# Altium PCB Fri3D_2020_Sweet4x4_01.PcbDoc (part 1 of 2)
Units mm, origin at the board's own origin, x right, y up, seen from the top; angles counter-clockwise.
Board outline 120 x 95 mm, 2 copper layers (Top Layer, Bottom Layer), stack 1.571 mm thick; 83 components, 47 nets, 500 pads, 32 vias.
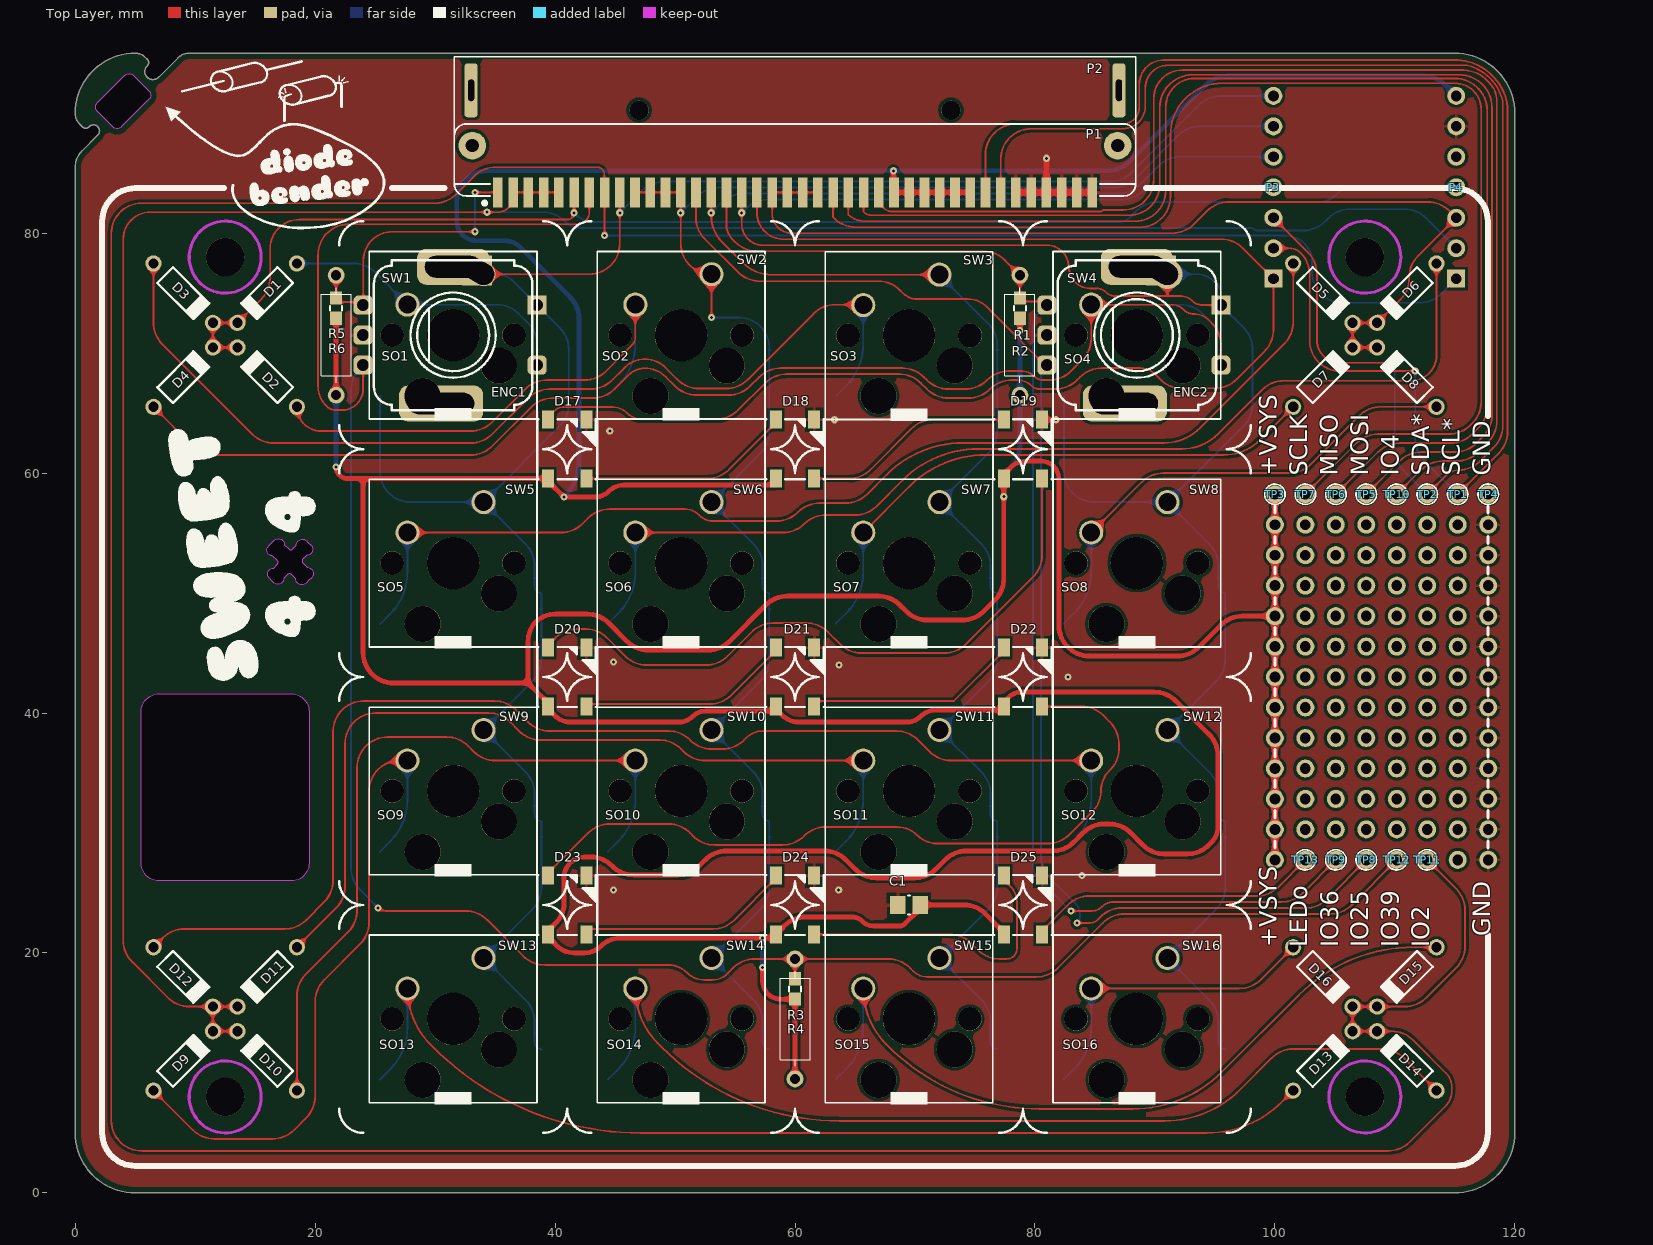
[diagram p0: Top Layer view]
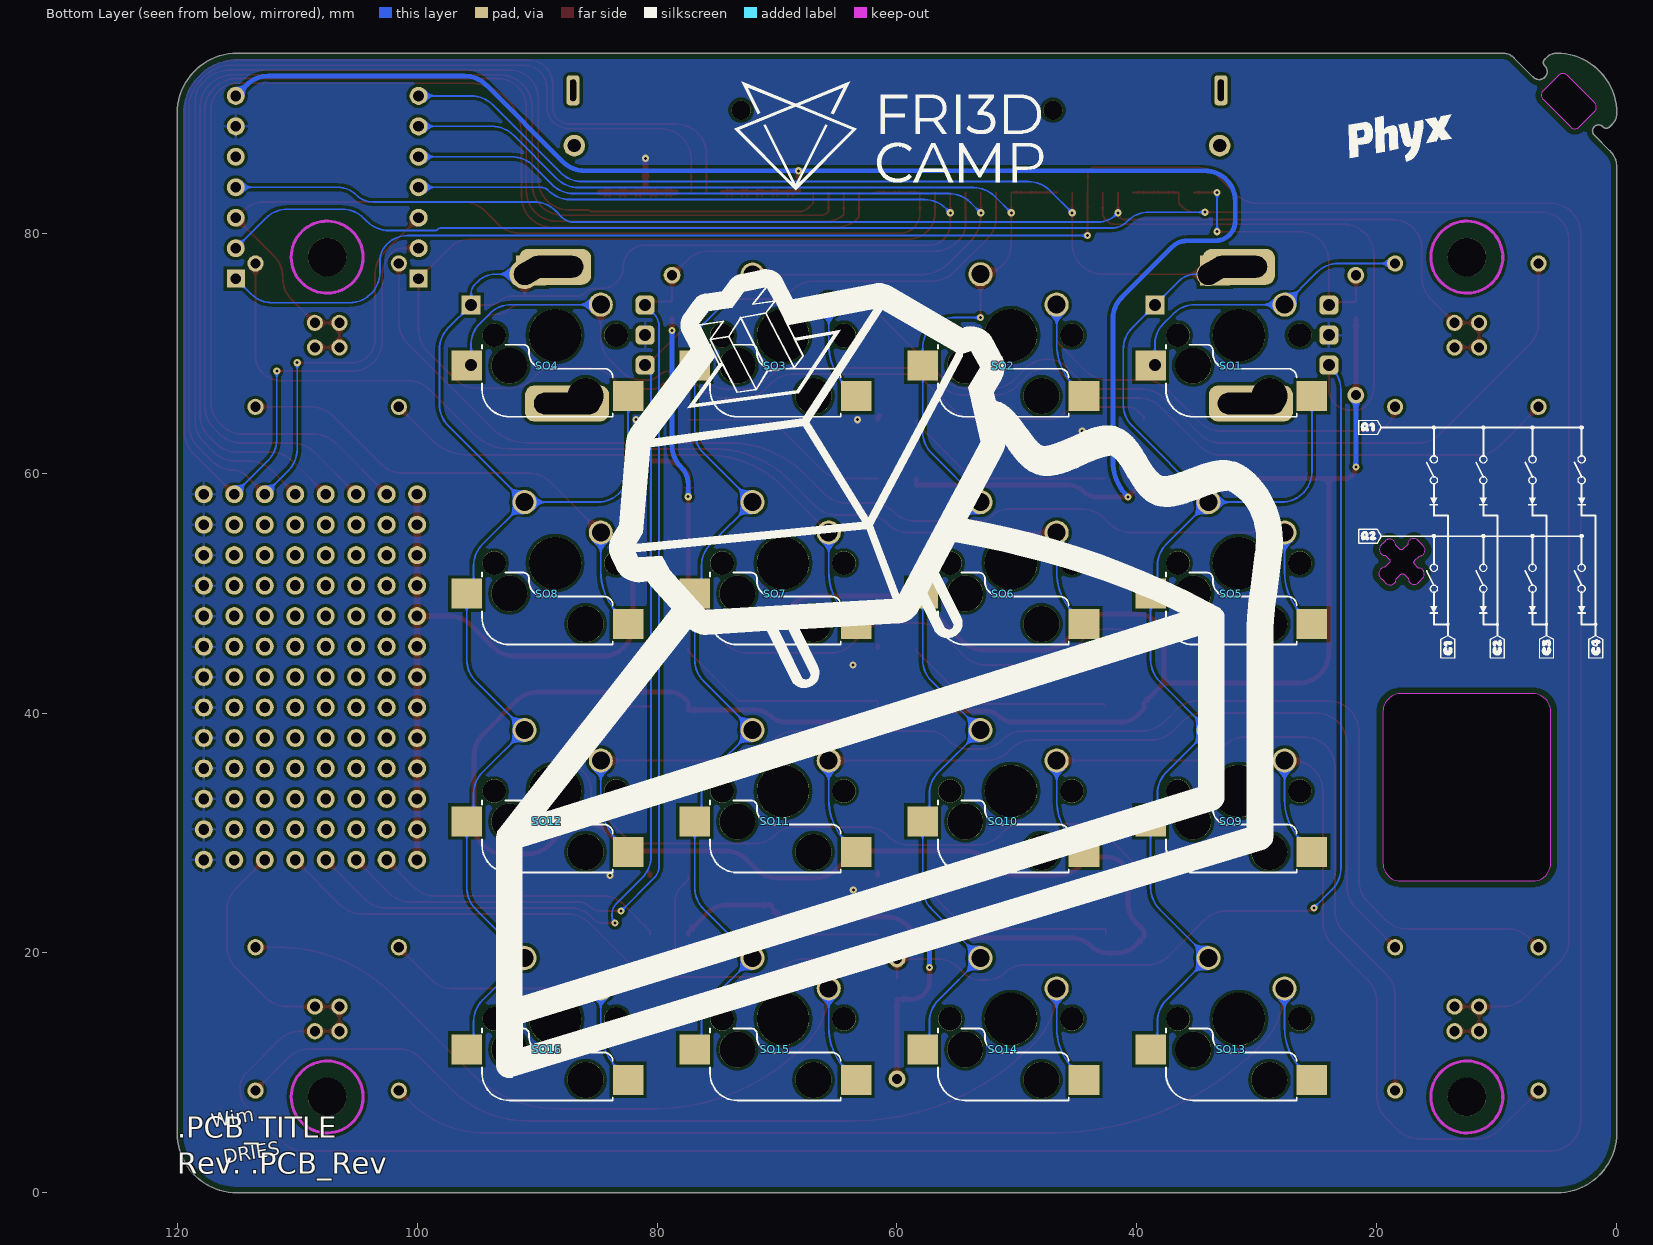
[diagram p1: Bottom Layer view, seen from below]
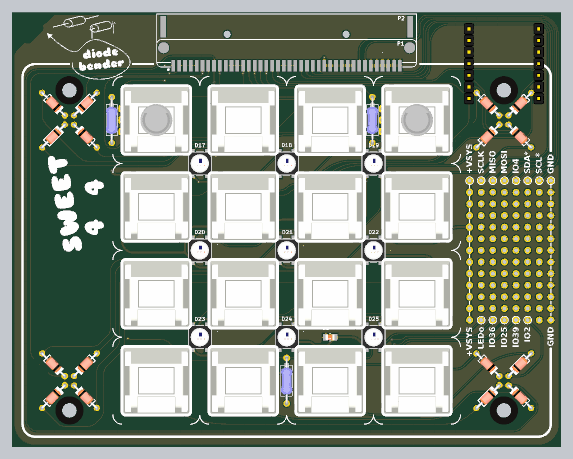
[diagram p3: 3D render of the assembled board from above, using the file's embedded part models]

## Layer stack, top to bottom
Top Solder: solder mask 0.0102, Solder Resist, Dk 3.5
Top Layer: signal copper 0.0356
Dielectric1: core 1.5, FR-4, Dk 4.8
Bottom Layer: signal copper 0.0356
Bottom Solder: solder mask 0.0102, Solder Resist, Dk 3.5

## Board outline
0,5 0,85.5 cw(c1.916,85.5) 0.561,86.855 1.86,88.154 ccw(c1.525,88.525) 1.154,88.86 cw(c0.879,89.112) 0.627,88.836 0.379,89.084 cw(c1.296,90) 0,90 cw(c5,90) 5,95 cw(c5,93.793) 5.854,94.646 6,94.5 cw(c5.749,94.224) 6.024,93.973 ccw(c6.475,93.475) 6.973,93.024 8.559,94.61 cw(c9.5,93.669) 9.5,95 115,95 cw(c115,90) 120,90 120,5 cw(c115,5) 115,0 5,0 cw(c5,5)
cut-out: 16.533,50.88 16.356,51.057 16.197,51.216 16.18,51.233 cw(c16.533,51.587) 16.538,52.087 16.834,52.382 ccw(c16.657,52.559) 16.834,52.736 16.485,53.085 cw(c16.48,53.585) 16.127,53.938 16.356,54.168 16.586,54.398 cw(c16.94,54.044) 17.44,54.039 17.788,53.69 ccw(c17.965,53.867) 18.142,53.69 18.438,53.986 cw(c18.938,53.991) 19.291,54.345 19.309,54.327 19.468,54.168 19.627,54.009 19.645,53.991 cw(c19.291,53.637) 19.286,53.137 18.99,52.842 ccw(c19.167,52.665) 18.99,52.488 19.339,52.14 cw(c19.344,51.64) 19.698,51.286 19.468,51.057 19.238,50.827 cw(c18.884,51.18) 18.384,51.185 18.036,51.534 ccw(c17.859,51.357) 17.682,51.534 17.387,51.238 cw(c16.887,51.233)
cut-out: 5.5,27.5 5.5,40.1 cw(c7,40.1) 7,41.6 18,41.6 cw(c18,40.1) 19.5,40.1 19.5,27.5 cw(c18,27.5) 18,26 7,26 cw(c7,27.5)
cut-out: 3.146,88.854 1.854,90.146 cw(c2.207,90.5) 1.854,90.854 4.149,93.149 4.146,93.146 cw(c4.5,92.793) 4.854,93.146 4.851,93.149 6.149,91.851 6.146,91.854 cw(c5.793,91.5) 6.146,91.146 6.149,91.149 3.854,88.854 cw(c3.5,89.207)

## Design rules (kind name [scope] priority, off if disabled: settings)
BoardOutlineClearance [NOT OnLayer('Top Overlay') AND NOT OnLayer('Bottom Overlay') AND NOT IsText AND NOT WithinRoom('Fri3d_2020_Time_Blaster_00')] p1: gap=0.5 ignorepadtopadclearanceinfootprint=FALSE except(0: Arc-SplitContinuation Track-SplitContinuation SMDPad-SplitContinuation THPad-SplitContinuation Via-SplitContinuation Fill-SplitContinuation Poly-SplitContinuation Region-SplitContinuation Text-SplitContinuation; 0.3: SMDPad-OutlineEdge; 0.4: THPad-OutlineEdge)
Clearance [All] p1: gap=0.15 ignorepadtopadclearanceinfootprint=FALSE except(0: Arc-Hole Track-Hole SMDPad-Hole THPad-Hole Via-Hole Fill-Hole Poly-Hole Region-Hole Text-Hole; 0.25: Arc-Poly Track-Poly SMDPad-Poly THPad-Poly Via-Poly Fill-Poly; 1.1: Poly-Poly)
ComponentClearance ComponentClearance_TP [HasFootprint('TP_2x3mm')] p1: gap=0 collisioncheckmode=3 verticalgap=0 showdistances=FALSE
ComponentClearance ComponentClearance_SW [InComponentClass('SWITCH') vs InComponentClass('SWITCH')] p2: gap=0 collisioncheckmode=3 verticalgap=0 showdistances=FALSE
ComponentClearance ComponentClearance_RES [InComponentClass('Resistors') vs InComponentClass('Resistors')] p3: gap=0 collisioncheckmode=3 verticalgap=0 showdistances=FALSE
ComponentClearance ComponentClearance_P1-2 [InComponent('P1') vs InComponent('P2')] p4: gap=0 collisioncheckmode=3 verticalgap=0 showdistances=FALSE
ComponentClearance [All] p5: gap=0.25 collisioncheckmode=3 verticalgap=0.25 showdistances=FALSE
DiffPairsRouting [All] p1: maxlimit=0.254 minlimit=0.15 mostfreqgap=0.15 toplayer_minwidth=0.25 toplayer_maxwidth=0.381 toplayer_prefwidth=0.25 bottomlayer_minwidth=0.25 bottomlayer_maxwidth=0.381 bottomlayer_prefwidth=0.25 maxuncoupledlength=12.7
HoleSize [All] p1: absolutevalues=TRUE maxlimit=10 minlimit=0.025 maxpercent=80.000 minpercent=20.000
HoleToHoleClearance [All] p1: gap=0 allowstackedmicrovias=TRUE
PolygonConnect PolygonConnect_VIA [IsVia] p1: connectstyle=Direct reliefconductorwidth=0.254 reliefentries=4 polygonreliefangle="90 Angle" airgapwidth=0.254
PolygonConnect [All] p2: connectstyle=Relief reliefconductorwidth=0.254 reliefentries=4 polygonreliefangle="90 Angle" airgapwidth=0.254
RoutingVias [All] p1: holewidth=0.3 width=0.7 viastyle="Through Hole" minholewidth=0.3 minwidth=0.2 maxholewidth=0.6 maxwidth=1.2
SilkToSolderMaskClearance SilkscreenOverComponentPads [IsPad] p1: minsilkscreentomaskgap=0.254 clearancetoexposedcopper=TRUE
SolderMaskExpansion [All] p1: expansion=0.05 istentingtop=FALSE
Width [All] p1: maxlimit=5 minlimit=0.15 preferedwidth=0.25
25 further rules are at their usual default settings.

## Classes and differential pairs
component class Resistors: R1 R2 R3 R4 R5 R6
component class SWITCH: ENC1 ENC2 SO1 SO2 SO3 SO4 SO5 SO6 SO7 SO8 SO9 SO10 SO11 SO12 SO13 SO14 SO15 SO16 SW1 SW2 SW3 SW4 SW5 SW6 SW7 SW8 SW9 SW10 SW11 SW12 SW13 SW14 SW15 SW16

## Components (designator, comment, footprint, x,y, rotation, side; value= is the part's Value field where it differs from the comment)
C1 "CAP_CERAMIC" C0805_N 69.5,24 r180 top value="10uF 10V"
D1 "1N4148 100V 200mA 1Vf@10mA" DO-35 16,75 r225 top value=1N4148
D2 "1N4148 100V 200mA 1Vf@10mA" DO-35 16,68 r135 top value=1N4148
D3 "1N4148 100V 200mA 1Vf@10mA" DO-35 9,75 r315 top value=1N4148
D4 "1N4148 100V 200mA 1Vf@10mA" DO-35 9.003,67.997 r45 top value=1N4148
D5 "1N4148 100V 200mA 1Vf@10mA" DO-35 104,75 r315 top value=1N4148
D6 "1N4148 100V 200mA 1Vf@10mA" DO-35 111,75 r225 top value=1N4148
D7 "1N4148 100V 200mA 1Vf@10mA" DO-35 104,68 r45 top value=1N4148
D8 "1N4148 100V 200mA 1Vf@10mA" DO-35 111,68 r135 top value=1N4148
D9 "1N4148 100V 200mA 1Vf@10mA" DO-35 9,11 r45 top value=1N4148
D10 "1N4148 100V 200mA 1Vf@10mA" DO-35 16,11 r135 top value=1N4148
D11 "1N4148 100V 200mA 1Vf@10mA" DO-35 16,18 r225 top value=1N4148
D12 "1N4148 100V 200mA 1Vf@10mA" DO-35 9,18 r315 top value=1N4148
D13 "1N4148 100V 200mA 1Vf@10mA" DO-35 104,11 r45 top value=1N4148
D14 "1N4148 100V 200mA 1Vf@10mA" DO-35 111,11 r135 top value=1N4148
D15 "1N4148 100V 200mA 1Vf@10mA" DO-35 111,18 r225 top value=1N4148
D16 "1N4148 100V 200mA 1Vf@10mA" DO-35 104,18 r315 top value=1N4148
D17 "WS2812 based digital RGB LED 5050 Black package" LED_5050_WS2812B_BLACK 41,62 r90 top value="WS218B 5050 BL"
D18 "WS2812 based digital RGB LED 5050 Black package" LED_5050_WS2812B_BLACK 60,62 r90 top value="WS218B 5050 BL"
D19 "WS2812 based digital RGB LED 5050 Black package" LED_5050_WS2812B_BLACK 79,62 r90 top value="WS218B 5050 BL"
D20 "WS2812 based digital RGB LED 5050 Black package" LED_5050_WS2812B_BLACK 41,43 r90 top value="WS218B 5050 BL"
D21 "WS2812 based digital RGB LED 5050 Black package" LED_5050_WS2812B_BLACK 60,43 r90 top value="WS218B 5050 BL"
D22 "WS2812 based digital RGB LED 5050 Black package" LED_5050_WS2812B_BLACK 79,43 r90 top value="WS218B 5050 BL"
D23 "WS2812 based digital RGB LED 5050 Black package" LED_5050_WS2812B_BLACK 41,24 r90 top value="WS218B 5050 BL"
D24 "WS2812 based digital RGB LED 5050 Black package" LED_5050_WS2812B_BLACK 60,24 r90 top value="WS218B 5050 BL"
D25 "WS2812 based digital RGB LED 5050 Black package" LED_5050_WS2812B_BLACK 79,24 r90 top value="WS218B 5050 BL"
ENC1 "Rotary Encoder with Switch" PEC11-4215F-S0024 31.5,71.5 r270 top value=PEC11-4215F-S0024
ENC2 "Rotary Encoder with Switch" PEC11-4215F-S0024 88.5,71.5 r270 top value=PEC11-4215F-S0024
P1 "MicroBit 90deg connector Cylconn" MicroBIT_CYLCONN_SMD_90 35.235,83.4 r0 top locked
P2 "MicroBit 180deg connector Cylconn" MicroBIT_CYLCONN_SMD_180 35.235,83.4 r0 top locked
P3 "Header 7" HDR1X7 99.875,76.205 r90 top
P4 "Header 7" HDR1X7 115.115,76.205 r90 top
R1 "RESISTOR" R0603_N 78.75,73.75 r90 top value=10K
R2 "RESISTOR" RES_10mm 78.75,71.5 r90 top value=10k
R3 "RESISTOR" R0603_N 60,17 r90 top value=10K
R4 "RESISTOR" RES_10mm 60,14.5 r90 top value=10k
R5 "RESISTOR" R0603_N 21.75,73.75 r90 top value=10K
R6 "RESISTOR" RES_10mm 21.75,71.5 r90 top value=10k
SO1 "Kailh MX Socket" KAILH_MX_SOCKET 31.5,71.5 r180 top value=CPG151101S11
SO2 "Kailh MX Socket" KAILH_MX_SOCKET 50.5,71.5 r180 top value=CPG151101S11
SO3 "Kailh MX Socket" KAILH_MX_SOCKET 69.5,71.5 r180 top value=CPG151101S11
SO4 "Kailh MX Socket" KAILH_MX_SOCKET 88.5,71.5 r180 top value=CPG151101S11
SO5 "Kailh MX Socket" KAILH_MX_SOCKET 31.5,52.5 r180 top value=CPG151101S11
SO6 "Kailh MX Socket" KAILH_MX_SOCKET 50.5,52.5 r180 top value=CPG151101S11
SO7 "Kailh MX Socket" KAILH_MX_SOCKET 69.5,52.5 r180 top value=CPG151101S11
SO8 "Kailh MX Socket" KAILH_MX_SOCKET 88.5,52.5 r180 top value=CPG151101S11
SO9 "Kailh MX Socket" KAILH_MX_SOCKET 31.5,33.5 r180 top value=CPG151101S11
SO10 "Kailh MX Socket" KAILH_MX_SOCKET 50.5,33.5 r180 top value=CPG151101S11
SO11 "Kailh MX Socket" KAILH_MX_SOCKET 69.5,33.5 r180 top value=CPG151101S11
SO12 "Kailh MX Socket" KAILH_MX_SOCKET 88.5,33.5 r180 top value=CPG151101S11
SO13 "Kailh MX Socket" KAILH_MX_SOCKET 31.5,14.5 r180 top value=CPG151101S11
SO14 "Kailh MX Socket" KAILH_MX_SOCKET 50.5,14.5 r180 top value=CPG151101S11
SO15 "Kailh MX Socket" KAILH_MX_SOCKET 69.5,14.5 r180 top value=CPG151101S11
SO16 "Kailh MX Socket" KAILH_MX_SOCKET 88.5,14.5 r180 top value=CPG151101S11
SW1 "Cherry MX Blue" Cherry_MX1A#1 31.5,71.5 r0 top value=MX1A-E1NN
SW2 "Cherry MX Blue" Cherry_MX1A#1 50.5,71.5 r0 top value=MX1A-E1NN
SW3 "Cherry MX Blue" Cherry_MX1A#1 69.5,71.46 r0 top value=MX1A-E1NN
SW4 "Cherry MX Blue" Cherry_MX1A#2 88.5,71.5 r0 top value=MX1A-E1NN
SW5 "Cherry MX Blue" Cherry_MX1A#1 31.5,52.5 r0 top value=MX1A-E1NN
SW6 "Cherry MX Blue" Cherry_MX1A#1 50.5,52.5 r0 top value=MX1A-E1NN
SW7 "Cherry MX Blue" Cherry_MX1A#1 69.5,52.5 r0 top value=MX1A-E1NN
SW8 "Cherry MX Blue" Cherry_MX1A#1 88.5,52.5 r0 top value=MX1A-E1NN
SW9 "Cherry MX Blue" Cherry_MX1A#1 31.5,33.5 r0 top value=MX1A-E1NN
SW10 "Cherry MX Blue" Cherry_MX1A#1 50.5,33.5 r0 top value=MX1A-E1NN
SW11 "Cherry MX Blue" Cherry_MX1A#1 69.5,33.5 r0 top value=MX1A-E1NN
SW12 "Cherry MX Blue" Cherry_MX1A#1 88.5,33.5 r0 top value=MX1A-E1NN
SW13 "Cherry MX Blue" Cherry_MX1A#1 31.5,14.5 r0 top value=MX1A-E1NN
SW14 "Cherry MX Blue" Cherry_MX1A#1 50.5,14.5 r0 top value=MX1A-E1NN
SW15 "Cherry MX Blue" Cherry_MX1A#1 69.5,14.5 r0 top value=MX1A-E1NN
SW16 "Cherry MX Blue" Cherry_MX1A#1 88.5,14.5 r0 top value=MX1A-E1NN
TP1 "TEST_PAD" TP_1.5mm_0.9mm 115.24,58.24 r0 top value="NO BOM"
TP2 "TEST_PAD" TP_1.5mm_0.9mm 112.7,58.24 r0 top value="NO BOM"
TP3 "TEST_PAD" TP_1.5mm_0.9mm 100,58.24 r0 top value="NO BOM"
TP4 "TEST_PAD" TP_1.5mm_0.9mm 117.78,58.24 r0 top value="NO BOM"
TP5 "TEST_PAD" TP_1.5mm_0.9mm 107.62,58.24 r0 top value="NO BOM"
TP6 "TEST_PAD" TP_1.5mm_0.9mm 105.08,58.24 r0 top value="NO BOM"
TP7 "TEST_PAD" TP_1.5mm_0.9mm 102.54,58.24 r0 top value="NO BOM"
TP8 "TEST_PAD" TP_1.5mm_0.9mm 107.62,27.76 r0 top value="NO BOM"
TP9 "TEST_PAD" TP_1.5mm_0.9mm 105.08,27.76 r0 top value="NO BOM"
TP10 "TEST_PAD" TP_1.5mm_0.9mm 110.16,58.24 r0 top value="NO BOM"
TP11 "TEST_PAD" TP_1.5mm_0.9mm 112.7,27.76 r0 top value="NO BOM"
TP12 "TEST_PAD" TP_1.5mm_0.9mm 110.16,27.76 r0 top value="NO BOM"
TP13 "TEST_PAD" TP_1.5mm_0.9mm 102.54,27.76 r0 top value="NO BOM"

## Footprints (in the part's own frame and the unit in brackets; to place one, negate y for a bottom-side part, rotate by r counter-clockwise, add the part's x,y. Pads: shape width x height; smd on the part's side, far side on the other; paste and mask are expansions set on the pad)
C0805_N [mm] "Low density"
  rect 1.3x1.5 smd: 1(-0.95,0) 2(0.95,0)
  silkscreen extent -0.1,-0.8 0.1,0.8, body extent -1,-0.62 1,0.63, height 0.78
Cherry_MX1A#1 [mil]
  round 77 hole 77 unplated mask+5: 0(-200,0) 0(200,0)
  round 172 hole 172 unplated mask+5: 0(0,0)
  round 79 hole 59 mask+0: 1(100,200) 2(-150,100)
  silkscreen extent -275,-280 275,275, body extent -307,-307 307,307, height 598
Cherry_MX1A#2 [mil]
  round 77 hole 77 unplated mask+5: 0(-200,0) 0(200,0)
  round 172 hole 172 unplated mask+5: 0(0,0)
  round 98.43 hole 70.87 mask+0: 1(100,200)
  round 79 hole 59 mask+0: 2(-150,100)
  silkscreen extent -275,-280 275,275, body extent -307,-307 307,307, height 598
DO-35 [mm] "DO-35"
  round 1.35 hole 0.85: A(-3.5,0) C(3.5,0)
  silkscreen extent -2.12,-0.93 2.12,0.93, body extent -3.75,-1 3.75,1, height 2.3
HDR1X7 [mm] "Connector; Header; 7 Position"
  rect 1.5x1.5 hole 0.9: 1(0,0)
  round 1.5 hole 0.9: 2(2.54,0) 3(5.08,0) 4(7.62,0) 5(10.16,0) 6(12.7,0) 7(15.24,0)
  body extent -1.27,-1.14 16.51,1.14, height 8.13
KAILH_MX_SOCKET [mm]
  round 1.956 hole 1.956 unplated mask+0.127: 0(-5.08,0) 0(5.08,0)
  round 3 hole 3 unplated: 0(-3.81,2.54) 0(2.54,5.08)
  round 4.369 hole 4.369 unplated mask+0.127: 0(0,0)
  rect 2.55x2.5 smd far side: 1(-7.36,2.54) 2(6.09,5.08)
  body extent -7.87,0.85 6.63,6.74, height 1.86
LED_5050_WS2812B_BLACK [mm] "5050 RGB LED WS2812B BLACK"
  rect 1.5x1 smd: 1(-2.45,1.6) 2(-2.45,-1.6) 3(2.45,-1.6) 4(2.45,1.6)
  silkscreen extent -2.5,-2.5 2.5,2.5, body extent -2.7,-2.5 2.7,2.5, height 1.6
MicroBIT_CYLCONN_SMD_90 [mm]
  rect 0.8x2.5 smd: 1(0,0) 2(1.27,0) 3(2.54,0) 4(3.81,0) 5(5.08,0) 6(6.35,0) 7(7.62,0) 8(8.89,0) 9(10.16,0) 10(11.43,0) 11(12.7,0) 12(13.97,0) 13(15.24,0) 14(16.51,0) 15(17.78,0) 16(19.05,0) 17(20.32,0) 18(21.59,0) 19(22.86,0) 20(24.13,0) 21(25.4,0) 22(26.67,0) 23(27.94,0) 24(29.21,0) 25(30.48,0) 26(31.75,0) 27(33.02,0) 28(34.29,0) 29(35.56,0) 30(36.83,0) 31(38.1,0) 32(39.37,0) 33(40.64,0) 34(41.91,0) 35(43.18,0) 36(44.45,0) 37(45.72,0) 38(46.99,0) 39(48.26,0) 40(49.53,0)
  round 2.3 / inner round 2.3 / far side round 1.8 hole 1.1: M1(51.665,3.9) M2(-2.135,3.9)
  silkscreen extent -3.63,-1.04 53.17,5.7, body extent -3.63,-0.3 53.17,5.7, height 10.6
MicroBIT_CYLCONN_SMD_180 [mm]
  round 1.6 hole 1.6 unplated: 0(11.765,6.85) 0(37.765,6.85)
  rect 0.8x2.5 smd: 1(0,0) 2(1.27,0) 3(2.54,0) 4(3.81,0) 5(5.08,0) 6(6.35,0) 7(7.62,0) 8(8.89,0) 9(10.16,0) 10(11.43,0) 11(12.7,0) 12(13.97,0) 13(15.24,0) 14(16.51,0) 15(17.78,0) 16(19.05,0) 17(20.32,0) 18(21.59,0) 19(22.86,0) 20(24.13,0) 21(25.4,0) 22(26.67,0) 23(27.94,0) 24(29.21,0) 25(30.48,0) 26(31.75,0) 27(33.02,0) 28(34.29,0) 29(35.56,0) 30(36.83,0) 31(38.1,0) 32(39.37,0) 33(40.64,0) 34(41.91,0) 35(43.18,0) 36(44.45,0) 37(45.72,0) 38(46.99,0) 39(48.26,0) 40(49.53,0)
  rrect50% 1.1x4.5 / inner rrect50% 1.1x4.5 / far side rrect50% 1.1x2.5 hole 0.5 slot 1.8 at 90 deg: M1(51.765,8.51) M2(-2.235,8.51)
  silkscreen extent -3.63,-1.04 53.17,11.3, body extent -3.63,0.7 53.17,11.3, height 10.2
PEC11-4215F-S0024 [mm] "PEC11-4215F-S0024"
  rect 1.6x1.6 hole 1: 1(-2.5,7)
  rrect50% 1.6x1.6 hole 1: 2(2.5,7) A(-2.5,-7.5) B(2.5,-7.5) C(0,-7.5)
  rrect50% 3x6 hole 1.8 slot 4.7 at 90 deg: MH1(-5.7,0)
  rrect50% 3x7 hole 1.8 slot 5.5 at 90 deg: MH2(5.7,-1)
  silkscreen extent -6.25,-6.6 6.25,6.6, body extent -7,-7.7 7,7.2, height 26.6
R0603_N [mm] "Low density"
  rect 1.1x1 smd: 1(-0.85,0) 2(0.85,0)
  silkscreen extent -0.2,-0.5 0.2,0.5, body extent -0.8,-0.41 0.8,0.41, height 0.45
RES_10mm [mm] "TH 10mm pitch resistor"
  round 1.4 hole 0.85: 1(-5,0) 2(5,0)
  silkscreen extent -3.96,-1.25 3.96,1.25, body extent -5.31,-1.3 5.19,1.3, height 2.67
TP_1.5mm_0.9mm [mm] "1.5mm pad, 0.9mm hole"
  round 1.5 hole 0.9 mask+0.05: 1(0,0)
  silkscreen extent -0.85,-0.85 0.85,0.85

## Part data
C1: library part "CAP # 10uF 10V 0805", "Capacitor Ceramic", Supplier Part Number 1=2320859, Supplier 1=Farnell
D1 D2 D3 D4 D5 D6 D7 D8 D9 D10 D11 D12 D13 D14 D15 D16: library part "DIO 1N4148 DO-35", "Default Diode", Supplier Part Number 1=C14538, Supplier 1=LCSC, Supplier 2=LCSC, Supplier Part Number 2=C14516
D17 D18 D19 D20 D21 D22 D23 D24 D25: library part "LED # RGB WS2812B-5050 BL", "=Description", Supplier Part Number 1="WS2812B Black 5050", Supplier 1=Aliexpress, Supplier 2=LCSC, Supplier Part Number 2=C114586
ENC1 ENC2: library part "ENC ROT INC 24-24ppr SW", Supplier Part Number 1=1653380, Supplier 1=Farnell
P1: library part "MicroBit # RA Cylconn", Supplier 1=TaoBao
P2: library part "MicroBit # Cylconn", Supplier 1=TaoBao
P3 P4: library part "Pin Header 2.54mm 7way"
R1 R3 R5: library part "RES # 10K 0603", Supplier Part Number 1=2502397, Supplier 1=Farnell, Supplier 2=LCSC, Supplier 3=Generic, Supplier Part Number 2=C25804, Supplier Part Number 3="10K 1% 0603"
R2 R4 R6: library part "RES 10k 1/4W", Supplier Part Number 1=C58673, Supplier 1=LCSC, Supplier 3=Generic, Supplier Part Number 3="10k 1/4W 1% TH 10mm"
SO1 SO2 SO3 SO4 SO5 SO6 SO7 SO8 SO9 SO10 SO11 SO12 SO13 SO14 SO15 SO16: library part "SW # Socket MX Kailh", Supplier 1=NovelKeys
SW1 SW2 SW3 SW4 SW5 SW6 SW7 SW8 SW9 SW10 SW11 SW12 SW13 SW14 SW15 SW16: library part "SW Cherry MX1A-E1NN Blue", Supplier Part Number 1=CH196-ND, Supplier 1=Digi-key, Supplier 2=Mouser, Supplier Part Number 2=540-MX1A-E1NN
TP1 TP2 TP3 TP4 TP5 TP6 TP7 TP8 TP9 TP10 TP11 TP12 TP13: library part "TP 1.5mm"

## Free pads (board coordinates)
  round 1.5 hole 0.9: 0(100,27.76) 0(100,30.3) 0(100,32.84) 0(100,35.38) 0(100,37.92) 0(100,40.46) 0(100,43) 0(100,45.54) 0(100,48.08) 0(100,50.62) 0(100,53.16) 0(100,55.7) 0(102.54,30.3) 0(102.54,32.84) 0(102.54,35.38) 0(102.54,37.92) 0(102.54,40.46) 0(102.54,43) 0(102.54,45.54) 0(102.54,48.08) 0(102.54,50.62) 0(102.54,53.16) 0(102.54,55.7) 0(105.08,30.3) 0(105.08,32.84) 0(105.08,35.38) 0(105.08,37.92) 0(105.08,40.46) 0(105.08,43) 0(105.08,45.54) 0(105.08,48.08) 0(105.08,50.62) 0(105.08,53.16) 0(105.08,55.7) 0(107.62,30.3) 0(107.62,32.84) 0(107.62,35.38) 0(107.62,37.92) 0(107.62,40.46) 0(107.62,43) 0(107.62,45.54) 0(107.62,48.08) 0(107.62,50.62) 0(107.62,53.16) 0(107.62,55.7) 0(110.16,30.3) 0(110.16,32.84) 0(110.16,35.38) 0(110.16,37.92) 0(110.16,40.46) 0(110.16,43) 0(110.16,45.54) 0(110.16,48.08) 0(110.16,50.62) 0(110.16,53.16) 0(110.16,55.7) 0(112.7,30.3) 0(112.7,32.84) 0(112.7,35.38) 0(112.7,37.92) 0(112.7,40.46) 0(112.7,43) 0(112.7,45.54) 0(112.7,48.08) 0(112.7,50.62) 0(112.7,53.16) 0(112.7,55.7) 0(115.24,27.76) 0(115.24,30.3) 0(115.24,32.84) 0(115.24,35.38) 0(115.24,37.92) 0(115.24,40.46) 0(115.24,43) 0(115.24,45.54) 0(115.24,48.08) 0(115.24,50.62) 0(115.24,53.16) 0(115.24,55.7) 0(117.78,27.76) 0(117.78,30.3) 0(117.78,32.84) 0(117.78,35.38) 0(117.78,37.92) 0(117.78,40.46) 0(117.78,43) 0(117.78,45.54) 0(117.78,48.08) 0(117.78,50.62) 0(117.78,53.16) 0(117.78,55.7)
  round 0 hole 3 unplated mask+0.2: 0(127,19) 0(127,76)
  round 3.2 hole 3.2 unplated mask+1.5: MH(12.5,8) MH(12.5,78) MH(107.5,8) MH(107.5,78)
  rect 2.5x2.5 hole 1.8 slot 3 at 150 deg: S8(33.512,76.882) S8(90.512,76.882)

## Via types
v1: diameter 0.6, hole 0.25, Top Layer to Bottom Layer, tented top, 32 vias

## Nets (pads, with @x,y where several pads share a name; then routed paths per layer and width w, separated by ;. In a path a pad name is that pad's centre, name@x,y a point inside that pad or via, vN(x,y) a via of type N, cw(c..) or ccw(c..) an arc to the next point about the centre after c; other vN are vias at no path point)
+3V3: P4.5
Col1: ENC1.1 ENC1.MH1 P1.9 P2.9 P3.7 pad.S8@33.512,76.882 SO1.2 SO5.1 SO9.1 SO13.1 SW1.1 SW5.1 SW9.1 SW13.1 | length 172.7
  Top Layer w0.15: pad.S8@34.04,76.428 SW1.1@34.04,76.58 42.855,76.58 ccw(c42.855,79.12) 45.395,79.12 v1(45.395,81.7) P1.9@45.395,83.4
  Bottom Layer w0.15: SO1.2@25.41,66.42 25.41,60.12 ccw(c27.95,60.12) 27.95,57.58 SW5.1@34.04,57.58 ; SW1.1@34.04,76.58 35.1,76.58 cw(c35.1,74.6) 36.5,76 ENC1.1@38.5,74 40.398,72.102 cw(c38.602,70.306) 41.142,70.306 41.142,65.734 cw(c38.602,65.734) 40.398,63.938 SW5.1@34.04,57.58 ; SO13.1@38.86,11.96 38.495,12.111 cw(c38.979,12.595) 38.294,12.595 38.295,14.273 ccw(c35.755,14.273) 37.551,16.069 SW13.1@34.04,19.58 38.116,23.656 ccw(c36.32,25.452) 38.86,25.452 SO9.1@38.86,30.96 38.495,31.111 cw(c38.979,31.595) 38.294,31.595 38.295,33.273 ccw(c35.755,33.273) 37.551,35.069 SW9.1@34.04,38.58 38.116,42.656 ccw(c36.32,44.452) 38.86,44.452 SO5.1@38.86,49.96 38.495,50.111 cw(c38.979,50.595) 38.294,50.595 38.295,52.273 ccw(c35.755,52.273) 37.551,54.069 SW5.1@34.04,57.58 ; v1(45.395,81.7) 47.251,83.556 cw(c49.047,81.76) 49.047,84.3 86.248,84.3 ccw(c86.248,86.84) 88.044,85.044 93.701,90.701 cw(c95.497,88.905) 95.497,91.445 P3.7@99.875,91.445
Col2: P1.10 P1.11 P1.12 P1.13 P2.10 P2.11 P2.12 P2.13 P3.6 SO2.1 SO6.1 SO10.1 SO14.1 SW2.1 SW6.1 SW10.1 SW14.1 | length 144
  Top Layer w0.15: P1.10@46.665,83.4 P1.11@47.935,83.4 P1.12@49.205,83.4 P1.13@50.475,83.4 v1(50.475,81.7) 50.475,79.12 ccw(c53.015,79.12) 53.015,76.58 SW2.1@53.04,76.58 v1(53.04,72.96)
  Bottom Layer w0.15: v1(50.475,81.7) 51.831,83.056 cw(c53.627,81.26) 53.627,83.8 86.548,83.8 ccw(c86.548,86.34) 88.344,84.544 91.961,88.161 cw(c93.757,86.365) 93.757,88.905 P3.6@99.875,88.905 ; v1(53.04,72.96) 55.32,72.96 cw(c55.32,70.42) 57.86,70.42 SO2.1@57.86,68.96 57.86,63.452 cw(c55.32,63.452) 57.116,61.656 SW6.1@53.04,57.58 56.551,54.069 cw(c54.755,52.273) 57.295,52.273 57.295,50.595 ccw(c57.979,50.595) 57.495,50.111 SO6.1@57.86,49.96 57.86,44.452 cw(c55.32,44.452) 57.116,42.656 SW10.1@53.04,38.58 56.551,35.069 cw(c54.755,33.273) 57.295,33.273 57.295,31.595 ccw(c57.979,31.595) 57.495,31.111 SO10.1@57.86,30.96 57.86,25.452 cw(c55.32,25.452) 57.116,23.656 SW14.1@53.04,19.58 56.551,16.069 cw(c54.755,14.273) 57.295,14.273 57.295,12.595 ccw(c57.979,12.595) 57.495,12.111 SO14.1@57.86,11.96
Col3: P1.15 P2.15 P3.5 SO3.1 SO7.1 SO11.1 SO15.1 SW3.1 SW7.1 SW11.1 SW15.1 | length 150
  Top Layer w0.15: v1(53.015,81.7) P1.15@53.015,83.4 ; v1@53.02,81.7 ccw(c56.21,81.495) 53.95,79.235 55.678,77.507 ccw(c58.012,79.841) 58.012,76.54 SW3.1@72.04,76.54
  Bottom Layer w0.15: v1(53.015,81.7) 53.871,82.556 cw(c55.667,80.76) 55.667,83.3 86.948,83.3 ccw(c86.948,85.84) 88.744,84.044 90.321,85.621 cw(c92.117,83.825) 92.117,86.365 P3.5@99.875,86.365 ; SW3.1@72.04,76.58 SW3.1@72.04,76.54 76.116,72.464 cw(c74.32,70.668) 76.86,70.668 SO3.1@76.86,68.96 76.86,63.452 cw(c74.32,63.452) 76.116,61.656 SW7.1@72.04,57.58 75.551,54.069 cw(c73.755,52.273) 76.295,52.273 76.295,50.595 ccw(c76.979,50.595) 76.495,50.111 SO7.1@76.86,49.96 76.86,44.452 cw(c74.32,44.452) 76.116,42.656 SW11.1@72.04,38.58 75.551,35.069 cw(c73.755,33.273) 76.295,33.273 76.295,31.595 ccw(c76.979,31.595) 76.495,31.111 SO11.1@76.86,30.96 76.86,25.452 cw(c74.32,25.452) 76.116,23.656 SW15.1@72.04,19.58 75.551,16.069 cw(c73.755,14.273) 76.295,14.273 76.295,12.595 ccw(c76.979,12.595) 76.495,12.111 SO15.1@76.86,11.96
Col4: ENC2.1 ENC2.MH1 P1.17 P2.17 P3.4 pad.S8@90.512,76.882 SO4.2 SO8.1 SO12.1 SO16.1 SW4.1 SW8.1 SW12.1 SW16.1 | length 191.3
  Top Layer w0.15: P1.17@55.555,83.4 v1(55.555,81.7) 55.555,80.79 ccw(c57.38,80.79) 56.089,79.5 ccw(c57.297,80.707) 57.297,79 81,79 cw(c81,77.182) 82.818,77.182 ccw(c84.6,77.182) 84.6,75.4 85.14,75.4 cw(c85.14,74.29) 85.925,75.075 ; 85.926,75.074 ccw(c86.71,75.86) 86.71,74.75 91.04,74.75 ; pad.S8@90.512,76.882 pad.S8@90.613,76.474 ; SW4.1@91.04,76.58 91.04,74.75 ; ENC2.1@95.5,74 93.998,74 cw(c93.998,75.28) 93.093,74.375 ccw(c92.188,73.47) 92.188,74.75 91.04,74.75
  Bottom Layer w0.15: v1(55.555,81.7) 55.911,82.056 cw(c57.707,80.26) 57.707,82.8 87.248,82.8 ccw(c87.248,85.34) 89.044,83.544 cw(c89.722,82.865) 89.722,83.825 P3.4@99.875,83.825 ; SO4.2@82.41,66.42 82.41,60.12 ccw(c84.95,60.12) 84.95,57.58 SW8.1@91.04,57.58 ; SW4.1@91.04,76.58 93.486,76.58 cw(c93.486,74.566) 94.909,75.991 95.217,75.683 ; 95.218,75.682 cw(c94.534,75) 95.5,75 ENC2.1@95.5,74 97.398,72.102 cw(c95.602,70.306) 98.142,70.306 98.142,65.734 cw(c95.602,65.734) 97.398,63.938 SW8.1@91.04,57.58 ; SO16.1@95.86,11.96 95.495,12.111 cw(c95.979,12.595) 95.295,12.595 95.295,14.273 ccw(c92.755,14.273) 94.551,16.069 SW16.1@91.04,19.58 95.116,23.656 ccw(c93.32,25.452) 95.86,25.452 SO12.1@95.86,30.96 95.495,31.111 cw(c95.979,31.595) 95.295,31.595 95.295,33.273 ccw(c92.755,33.273) 94.551,35.069 SW12.1@91.04,38.58 95.116,42.656 ccw(c93.32,44.452) 95.86,44.452 SO8.1@95.86,49.96 95.495,50.111 cw(c95.979,50.595) 95.295,50.595 95.295,52.273 ccw(c92.755,52.273) 94.551,54.069 SW8.1@91.04,57.58
ESP.IO2: D13.C D14.C D15.C D16.C P1.8 P2.8 P4.1 TP11.1 | length 346.8
  Top Layer w0.15: v1(44.125,79.8) P1.8@44.125,83.4 44.1,83.425 44.1,84.9 ccw(c43.5,84.9) 43.5,85.5 35.052,85.5 ccw(c35.052,82.96) 33.256,84.756 31.707,83.207 cw(c30,84.914) 30,82.5 5.54,82.5 ccw(c5.54,79.96) 3,79.96 3,6.04 ccw(c5.54,6.04) 5.54,3.5 109.448,3.5 ccw(c109.448,6.04) 111.244,4.244 114.2,7.2 ccw(c112.872,8.528) 114.75,8.528 114.75,8.806 ccw(c113.074,8.806) 114.259,9.991 111.519,12.731 ccw(c109.723,10.935) 109.723,13.475 D14.C@108.525,13.475 D13.C@106.475,13.475 D16.C@106.475,15.525 D15.C@108.525,15.525 110.823,15.525 ccw(c110.823,18.065) 112.619,16.269 115.106,18.756 ccw(c113.31,20.552) 115.85,20.552 115.85,23.558 ccw(c113.31,23.558) 115.106,25.354 TP11.1@112.7,27.76
  Bottom Layer w0.15: v1@44.105,79.8 v1(44.125,79.8) 100.8,79.8 cw(c100.8,77.386) 102.507,79.093 cw(c101.076,77.662) 103.1,77.662 103.1,76.74 ccw(c105.64,76.74) 105.64,74.2 112.058,74.2 ccw(c112.058,76.74) 113.854,74.944 P4.1@115.115,76.205
ESP.IO4: P1.26 P2.26 TP10.1 | length 101.5
  Top Layer w0.15: P1.26@66.985,83.4 66.985,82.515 67.403,82.097 ; 67.404,82.096 ccw(c68.12,82.813) 68.12,81.8 85.55,81.8 85.689,81.939 87.36,81.939 ccw(c87.36,84.479) 89.9,84.479 89.9,91.2 cw(c92.3,91.2) 92.3,93.6 115.439,93.6 cw(c115.439,89.654) 116.901,93.319 117.13,93.187 117.527,92.882 117.882,92.527 118.187,92.13 118.319,91.901 cw(c115.96,90.96) 118.5,90.96 118.5,64.352 cw(c115.96,64.352) 117.756,62.556 116.944,61.744 cw(c115.148,63.54) 115.148,61 113.972,61 ccw(c113.972,58.46) 112.176,60.256 TP10.1@110.16,58.24
ESP.IO12: D17.4 P1.18 P2.18 P3.1 | length 118.8
  Top Layer w0.15: D17.4@39.4,64.45 39.4,64.65 39.95,65.2 cw(c40.674,64.476) 40.674,65.5 44.793,65.5 cw(c44.793,63.793) 45.999,65.001 ; 46,65 ccw(c47.207,66.207) 47.207,64.5 53.448,64.5 ccw(c53.448,67.04) 55.244,65.244 57.506,67.506 cw(c59.302,65.71) 59.302,68.25 68.698,68.25 cw(c68.698,65.71) 70.494,67.506 71.006,66.994 ccw(c72.802,68.79) 72.802,66.25 74.448,66.25 ccw(c74.448,68.79) 76.244,66.994 76.256,67.006 cw(c78.052,65.21) 78.052,67.75 78.543,67.75 cw(c78.543,66.043) 79.75,67.25 ccw(c80.354,67.854) 80.354,67 81.698,67 ccw(c81.698,69.54) 83.494,67.744 83.756,68.006 cw(c85.552,66.21) 85.552,68.75 88.824,68.75 cw(c88.824,67.119) 89.977,68.273 cw(c88.824,67.119) 89.978,68.272 90.441,67.809 ccw(c92.237,69.605) 92.237,67.065 95.013,67.065 ccw(c95.013,69.605) 96.809,67.809 99.131,70.131 ccw(c97.335,71.927) 99.875,71.927 P3.1@99.875,76.205 97.324,78.756 ccw(c95.528,76.96) 95.528,79.5 59.025,79.5 cw(c59.025,81.7) 58.413,79.587 cw(c59.025,81.7) 56.912,81.088 cw(c59.025,81.7) 56.825,81.7 P1.18@56.825,83.4
ESP.IO13: D5.C D6.C D7.C D8.C P1.19 P1.20 P1.21 P1.22 P2.19 P2.20 P2.21 P2.22 P4.3 | length 82.2
  Top Layer w0.15: P1.22@61.905,83.4 P1.21@60.635,83.4 P1.20@59.365,83.4 P1.19@58.095,83.4 58.095,81.637 ccw(c59.732,81.637) 59.732,80 91.448,80 ccw(c91.448,82.54) 93.244,80.744 94.356,81.856 cw(c96.152,80.06) 96.152,82.6 112.748,82.6 cw(c112.748,80.06) 114.544,81.856 P4.3@115.115,81.285 111.944,78.114 ccw(c113.74,76.318) 111.2,76.318 111.2,76.252 cw(c108.66,76.252) 110.456,74.456 D6.C@108.525,72.525 D5.C@106.475,72.525 D7.C@106.475,70.475 D8.C@108.525,70.475
ESP.IO25: ENC2.B P1.14 P2.14 TP8.1 | length 110.6
  Top Layer w0.15: P1.14@51.745,83.4 51.745,81.307 ccw(c54.285,81.307) 52.489,79.511 55.256,76.744 ccw(c57.052,78.54) 57.052,76 66.948,76 cw(c66.948,73.46) 68.744,75.256 69,75 ccw(c70.207,76.207) 70.207,74.5 74.448,74.5 cw(c74.448,72.347) 75.971,73.869 80.84,69 ENC2.B@81,69 ; v1(83.5,22.5) 84.573,22.5 ccw(c84.573,23.427) 85.228,22.771 ; 85.229,22.771 85.479,23.021 cw(c87.237,21.263) 87.237,23.75 87.466,23.75 100.75,23.75 102.558,23.75 ccw(c102.558,26.29) 104.354,24.494 TP8.1@107.62,27.76
  Bottom Layer w0.15: ENC2.B@81,69 80.5,68.5 80.5,28.052 ccw(c83.04,28.052) 81.244,26.256 83.396,24.104 cw(c82.543,23.25) 83.75,23.25 83.75,22.982 cw(c83.189,22.982) 83.586,22.586 v1(83.5,22.5)
ESP.IO26: D1.C D2.C D3.C D4.C P1.6 P2.6 P4.4 | length 116.7
  Top Layer w0.15: D2.C@13.525,70.475 11.475,70.475 D3.C@11.475,72.525 D1.C@13.525,72.525 15.506,74.506 ccw(c13.71,76.302) 16.25,76.302 16.25,78.71 cw(c18.673,78.71) 18.673,81.133 41.023,81.133 ccw(c41.023,81.695) 41.585,81.695 v1(41.585,81.7) P1.6@41.585,83.4
  Bottom Layer w0.15: v1@41.592,81.706 ccw(c43.261,83.108) 43.261,80.929 87.004,80.929 ccw(c87.004,82.196) 87.9,81.3 88.456,81.856 cw(c90.252,80.06) 90.252,82.6 103.651,82.6 ccw(c103.651,84.649) 105.1,83.2 cw(c106.609,81.691) 106.609,83.825 P4.4@115.115,83.825
ESP.IO27: D9.C D10.C D11.C D12.C P1.2 P1.3 P1.4 P1.5 P2.2 P2.3 P2.4 P2.5 P4.2 | length 196.5
  Top Layer w0.15: D10.C@13.525,13.475 D9.C@11.475,13.475 D12.C@11.475,15.525 ; D11.C@13.525,15.525 D12.C@11.475,15.525 ; 36.127,82.127 cw(c35.216,83.039) 35.216,81.75 v1(34.316,81.75) 6.25,81.75 ccw(c6.25,79.5) 4,79.5 4,21.052 ccw(c6.54,21.052) 4.744,19.256 7.731,16.269 ccw(c9.527,18.065) 9.527,15.525 D12.C@11.475,15.525 ; 36.127,82.127 36.505,82.505 P1.2@36.505,83.4 P1.3@37.775,83.4 P1.4@39.045,83.4 P1.5@40.315,83.4
  Bottom Layer w0.15: v1(34.316,81.75) 38.998,81.75 cw(c38.998,79.21) 40.794,81.006 ccw(c42.131,82.254) 42.131,80.425 98.005,80.425 cw(c98.005,79.985) 98.316,80.296 ccw(c98.497,80.477) 98.497,80.221 102.329,80.221 ccw(c102.329,82.859) 104.194,80.994 104.456,81.256 cw(c106.252,79.46) 106.252,82 110.808,82 cw(c110.808,79.46) 112.604,81.256 114.404,79.456 P4.2@115.115,78.745
ESP.IO34: ENC1.A P1.1 P2.1 R5.2 R6.2 | length 24.3
  Top Layer w0.15: R6.2@21.75,76.5 R5.2@21.75,74.6 21.75,74.25 24,74.25 ENC1.A@24,74 ; ENC1.A@24.012,73.987 24.012,77.698 cw(c26.435,77.698) 26.435,80.12 v1(33.32,80.12) ; v1(33.32,83.4) P1.1@35.235,83.4
  Bottom Layer w0.15: v1(33.32,80.12) v1(33.32,83.4)
ESP.IO36: ENC2.A P1.16 P2.16 R1.2 R2.2 TP9.1 | length 109.6
  Top Layer w0.15: P1.16@54.285,83.4 54.285,80.689 ccw(c55.966,80.689) 54.777,79.5 55.033,79.244 ccw(c56.83,81.04) 56.749,78.501 ccw(c56.83,81.04) 56.83,78.5 75.698,78.5 cw(c75.698,75.96) 77.494,77.756 R2.2@78.75,76.5 R1.2@78.75,74.6 78.75,74.312 81,74.312 ENC2.A@81,74 ; v1(83,23.5) 84.72,23.5 ccw(c84.72,24.78) 85.624,23.874 ; 85.626,23.876 cw(c86.53,22.97) 86.53,24.25 86.75,24.25 98.478,24.25 100.518,24.25 ccw(c100.518,26.79) 102.314,24.994 TP9.1@105.08,27.76
  Bottom Layer w0.15: ENC2.A@81,74 80.244,73.244 ccw(c81.243,72.245) 79.83,72.245 79.83,27.255 ccw(c81.243,27.255) 80.244,26.256 v1(83,23.5)
ESP.IO39: ENC1.B P1.7 P2.7 R3.2 R4.2 TP12.1 | length 184.9
  Top Layer w0.15: ENC1.B@24,69 24,67 cw(c22.25,67) 22.25,65.25 21.767,65.25 cw(c21.767,66.445) 20.922,65.6 cw(c22.544,67.222) 20.25,67.222 20.25,78.21 cw(c22.783,78.21) 22.783,80.743 41.843,80.743 ccw(c41.843,81.755) 42.855,81.755 P1.7@42.855,83.4 ; v1(25.25,23.75) ccw(c25.854,24.354) 25.854,23.5 32.534,23.5 cw(c32.534,20.96) 34.33,22.756 37.342,19.744 ccw(c39.138,21.54) 39.138,19 49.452,19 cw(c49.452,16.866) 50.961,18.375 ccw(c52.47,19.884) 52.47,17.75 53.1,17.75 ccw(c53.1,19.52) 54.352,18.268 54.839,18.756 cw(c56.635,16.96) 56.635,19.5 R4.2@60,19.5 ; R3.2@60,17.85 R4.2@60,19.5 ; TP12.1@110.16,27.76 106.394,23.994 cw(c104.598,25.79) 104.598,23.25 100.25,23.25 88.75,23.25 87.466,23.25 ccw(c87.466,20.71) 85.67,22.506 81.908,18.744 cw(c80.112,20.54) 80.112,18 71.043,18 cw(c71.043,19.707) 69.837,18.499 69.58,18.756 ccw(c67.784,16.96) 67.784,19.5 R4.2@60,19.5
  Bottom Layer w0.15: ENC1.B@24,69 23.744,68.744 ccw(c25.54,66.948) 23,66.948 23,27.052 ccw(c25.54,27.052) 23.744,25.256 v1(25.25,23.75)
GND: C1.2 D17.3 D18.3 D19.3 D20.3 D21.3 D22.3 D23.3 D24.3 D25.3 ENC1.C ENC2.C P1.35 P1.36 P1.37 P1.38 P1.39 P1.40 P2.35 P2.36 P2.37 P2.38 P2.39 P2.40 P4.6 pad.0@117.78,27.76 pad.0@117.78,30.3 pad.0@117.78,32.84 pad.0@117.78,35.38 pad.0@117.78,37.92 pad.0@117.78,40.46 pad.0@117.78,43 pad.0@117.78,45.54 pad.0@117.78,48.08 pad.0@117.78,50.62 pad.0@117.78,53.16 pad.0@117.78,55.7 TP4.1 | length 12.6
  Top Layer w0.4: D18.3@61.459,64.791 cw(c61.117,64.45) D18.3@61.6,64.45 D18.3@61.6,64.723 ; D24.3@61.6,26.45 D24.3@61.6,26.728 ; D21.3@61.6,45.45 D21.3@61.6,45.65 ; D19.3@80.436,64.847 cw(c80.039,64.45) D19.3@80.6,64.45 ; D25.3@80.6,26.45 D25.3@80.6,26.65 ; D22.3@80.6,45.45 D22.3@80.6,45.708 ; D19.3@80.6,64.65 D19.3@80.6,64.45 ; v1(81.75,64.45) D19.3@80.6,64.45
  Top Layer w0.5: P1.35@78.415,83.4 P1.36@79.685,83.4 P1.37@80.955,83.4 ; v1(80.958,86.242) 80.955,86.239 P1.37@80.955,83.4 ; P1.40@84.765,83.4 P1.39@83.495,83.4 P1.38@82.225,83.4 P1.37@80.955,83.4
  other v1: 44.868,25.25 63.641,25.25 83.923,26.45 82.75,43 63.678,44 44.865,44.25 44.562,63.5 63.304,64.45
I2C.SCL: P1.33 P2.33 P3.2 TP1.1 | length 119.7
  Top Layer w0.15: P1.33@75.875,83.4 75.875,86.56 cw(c78.415,86.56) 78.415,89.1 87.3,89.1 ccw(c87.3,90.5) 88.7,90.5 88.7,92.4 cw(c90.725,92.4) 90.725,94.425 115.29,94.425 115.865,94.349 116.425,94.199 116.961,93.977 117.464,93.687 117.924,93.334 118.334,92.924 118.687,92.464 118.977,91.961 119.199,91.425 119.349,90.865 119.4,90.48 119.4,63.452 cw(c116.86,63.452) 118.656,61.656 TP1.1@115.24,58.24 ; P3.2@99.875,78.745 101.2,78.745 cw(c101.2,77.405) 102.147,78.353 102.156,78.344 cw(c100.36,76.548) 102.9,76.548 102.9,71.04 ccw(c105.44,71.04) 105.44,68.5 v1(111.7,68.5)
  Bottom Layer w0.15: v1(111.7,68.5) 111.7,62.832 ccw(c114.24,62.832) 112.444,61.036 TP1.1@115.24,58.24
I2C.SDA: P1.34 P2.34 P3.3 TP2.1 | length 118.4
  Top Layer w0.15: P1.34@77.145,83.4 77.145,86.16 cw(c79.685,86.16) 79.685,88.7 87.3,88.7 ccw(c87.3,90.6) 89.2,90.6 89.2,92.1 cw(c91.1,92.1) 91.1,94 116.01,94 116.329,93.914 116.828,93.708 117.297,93.437 117.726,93.108 118.108,92.726 118.437,92.297 118.708,91.828 118.914,91.329 119,91.01 119,63.952 cw(c116.46,63.952) 118.256,62.156 117.094,60.994 cw(c115.298,62.79) 115.298,60.25 ccw(c115.298,58.831) 114.294,59.834 TP2.1@112.7,58.24 ; P3.3@99.875,81.285 102.756,78.404 cw(c100.96,76.608) 103.5,76.608 103.5,71.1 ccw(c105.4,71.1) 105.4,69.2 v1(110,69.2)
  Bottom Layer w0.15: v1(110,69.2) 110,61.992 ccw(c112.54,61.992) 110.744,60.196 TP2.1@112.7,58.24
LED.Dout: D25.2 TP13.1 | length 24.5
  Top Layer w0.15: D25.2@80.6,21.55 80.6,21.85 82.756,24.006 cw(c84.552,22.21) 84.552,24.75 98.478,24.75 ccw(c98.478,27.29) 100.274,25.494 TP13.1@102.54,27.76
NetD17_2: D17.2 D18.4 | length 17.9
  Top Layer w0.15: D17.2@42.6,59.55 52.696,59.55 ccw(c52.696,62.09) 54.492,60.294 58.4,64.201 D18.4@58.4,64.45
NetD18_2: D18.2 D19.4 | length 17.6
  Top Layer w0.15: D18.2@61.6,59.55 64.498,59.55 ccw(c64.498,62.09) 66.294,60.294 69.706,63.706 cw(c71.502,61.91) 71.502,64.45 D19.4@77.4,64.45
NetD19_2: D19.2 D20.4 | length 55.1
  Top Layer w0.15: D20.4@39.238,45.47 40.024,46.256 cw(c41.82,44.46) 41.82,47 42.592,47 cw(c42.592,44.592) 44.295,46.295 45.846,44.744 ccw(c47.642,46.54) 47.642,44 52.579,44 ccw(c52.579,46.54) 54.375,44.744 56.387,46.756 cw(c58.183,44.96) 58.183,47.5 60.948,47.5 cw(c60.948,44.96) 62.744,46.756 63.756,45.744 ccw(c65.552,47.54) 65.552,45 72.448,45 ccw(c72.448,47.54) 74.244,45.744 79.856,51.356 ccw(c78.06,53.152) 80.6,53.152 D19.2@80.6,59.55
NetD20_2: D20.2 D21.4 | length 17.9
  Top Layer w0.15: D20.2@42.6,40.55 42.8,40.75 52.893,40.75 ccw(c52.893,43.29) 54.689,41.494 58.4,45.205 D21.4@58.4,45.45
NetD21_2: D21.2 D22.4 | length 18.3
  Top Layer w0.15: D21.2@61.6,40.55 61.6,41 73.242,41 77.4,45.158 D22.4@77.4,45.45